# Altium PCB STM32F4 Control Board.PcbDoc (continued)
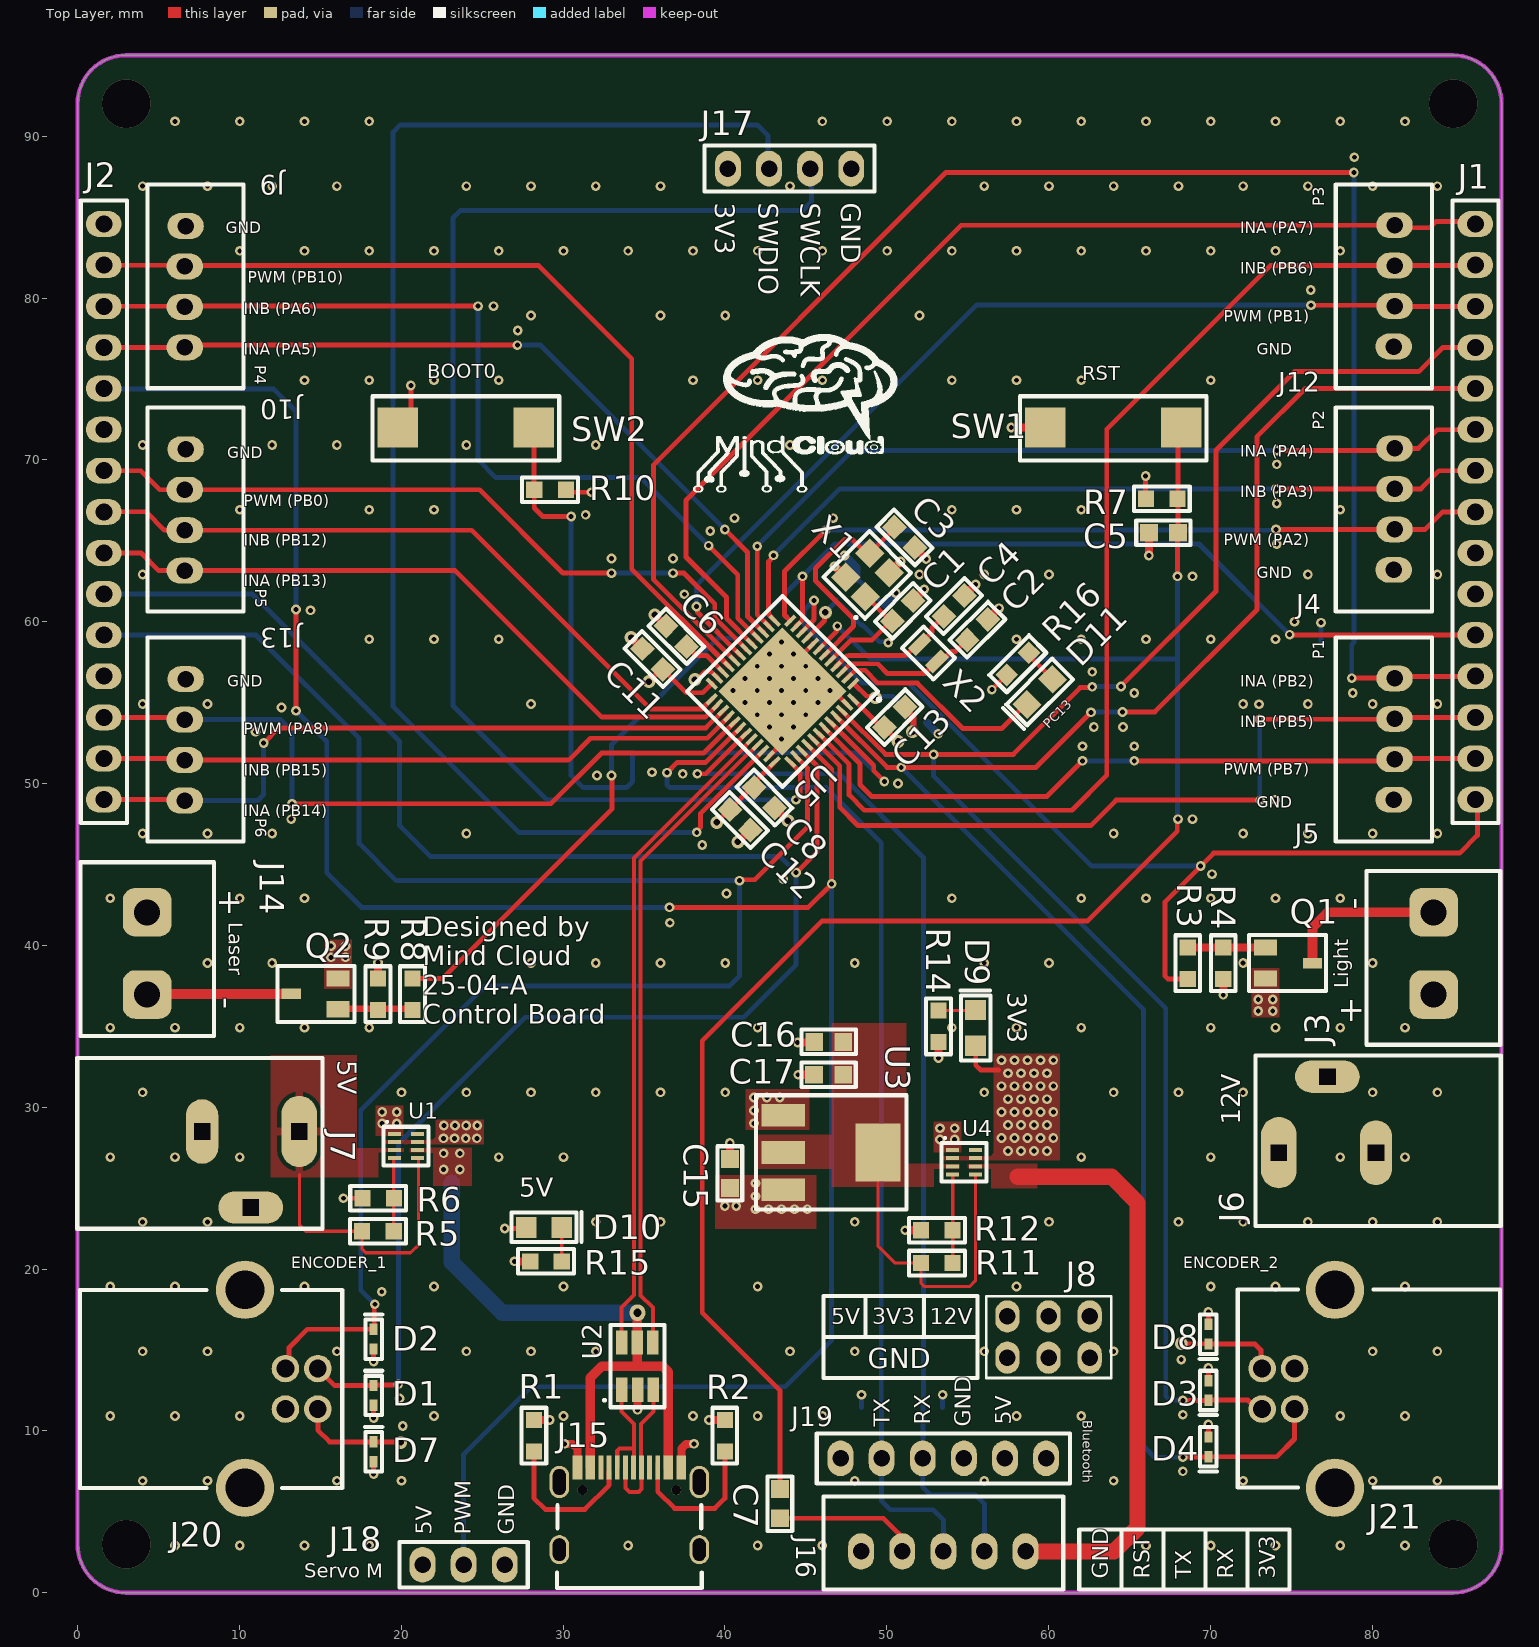
[diagram p0: Top Layer view]
## Nets (pads, with @x,y where several pads share a name; then routed paths per layer and width w, separated by ;. In a path a pad name is that pad's centre, name@x,y a point inside that pad or via, vN(x,y) a via of type N, cw(c..) or ccw(c..) an arc to the next point about the centre after c; other vN are vias at no path point) (continued)
GPIO1: J1.10 J4.4 U5.14 | length 52.7
  Top Layer w0.3: v1(42.004,64.662) 42,64.659 42,60.438 U5.14 ; v1(74.1,70.575) 81.247,70.575 J4.4 82.857,70.707 84.015,71.865 J1.10@86.45,71.865
  Bottom Layer w0.3: v1(42.004,64.662) 42.004,64.704 47.875,70.575 v1(74.1,70.575)
GPIO2: J1.9 J4.3 U5.13 | length 49.9
  Top Layer w0.3: v1(43,64.1) 43,64.019 42.7,63.719 42.7,60.445 U5.13 ; v1(74.061,68.207) J4.3 83.007,68.207 84.125,69.325 J1.9@86.45,69.325
  Bottom Layer w0.3: v1(43,64.1) 47.107,68.207 v1(74.061,68.207)
GPIO3: J2.4 J9.4 U5.15 | length 50.4
  Top Layer w0.3: J2.4 J9.4 ; J9.4@6.63,77.089 v1(27.178,77.089) ; v1(40,65.7) 41.4,64.3 41.4,60.331 U5.15
  Bottom Layer w0.3: v1(27.178,77.089) 28.611,77.089 v1(40,65.7)
GPIO4: J2.3 J9.3 U5.16 | length 56
  Top Layer w0.3: J2.3 6.589,79.49 J9.3 ; J9.3@6.656,79.475 6.681,79.5 v1(24.75,79.5) ; v1(39,64.7) 40.8,62.9 40.8,60.224 U5.16
  Bottom Layer w0.3: v1(24.75,79.5) 24.75,70 25.85,68.9 34.8,68.9 v1(39,64.7)
GPIO5: J1.15 J12.4 U5.17 | length 66.7
  Top Layer w0.3: U5.17 40.1,60.217 40.1,61.5 37.6,64 37.6,67.5 54.6,84.5 J12.4 81.534,84.345 82.545,84.345 83.559,84.345 83.951,84.737 J1.15@86.5,84.737
GPIO6: J1.14 J12.3 U5.42 | length 70.3
  Top Layer w0.3: U5.42 45.807,53.06 46.071,52.796 47.675,51.192 47.675,49.3 48.625,48.35 61.45,48.35 63.6,50.5 63.6,71.9 73.7,82 J12.3 82.7,82 86.303,82 J1.14@86.5,82.197
GPIO7: J1.4 J5.4 R13.2 U5.20 | length 104
  Top Layer w0.3: U5.20 35.598,62.598 35.598,69.698 53.657,87.757 v1(78.867,87.757) ; v1(78.74,56.515) 81.364,56.515 J5.4 81.504,56.625 J1.4@86.45,56.625
  Bottom Layer w0.3: v1(78.74,56.515) 78.74,58.588 78.867,58.715 v1(78.867,87.757)
GPIO8: J1.3 J5.3 U5.41 | length 50.4
  Top Layer w0.3: U5.41 47.1,51.096 47.1,48.525 48.225,47.4 62.6,47.4 64.175,48.975 v1(73.075,48.975) ; v1(73.025,53.975) 81.354,53.975 J5.3 81.464,54.085 J1.3@86.45,54.085
  Bottom Layer w0.3: v1@73.05,49 v1@73.05,53.95
GPIO9: J2.9 J10.4 U5.26 | length 42.4
  Top Layer w0.3: J2.9 3.925,64.25 5.019,63.156 J10.4 23.344,63.156 32.398,54.102 38.788,54.102 U5.26
GPIO10: J2.8 J10.3 U5.25 | length 42.9
  Top Layer w0.3: J2.8 4.235,66.79 5.369,65.656 J10.3 6.636,65.65 24.35,65.65 35.39,54.61 38.589,54.61 U5.25
GPIO11: J2.15 J13.4 U5.27 | length 42.5
  Top Layer w0.3: J2.15 6.569,49.01 J13.4 ; v1(11.5,52.5) 12.436,53.436 38.829,53.436 U5.27
  Bottom Layer w0.3: J13.4 11.124,48.949 11.5,49.325 v1(11.5,52.5)
GPIO12: J2.14 J13.3 U5.28 | length 39.8
  Top Layer w0.3: J2.14 6.529,51.55 J13.3 30.349,51.449 31.7,52.8 38.9,52.8 U5.28
HSE_IN: C1.1 U5.5 X1.1 | length 7.1
  Top Layer w0.3: U5.5 47.803,58.875 49.1,58.875 C1.1@50.259,60.034 ; X1.1 48.756,61.536 C1.1@50.259,60.034 ; C1.1 C1.1@50.259,60.034
HSE_OUT: C3.1 U5.6 X1.3 | length 13.8
  Top Layer w0.3: U5.6 47.95,59.729 47.95,60.175 45.6,62.525 45.6,63.3 47.375,65.075 47.885,65.075 48.737,64.223 X1.3 50.474,65.747 C3.1
LSE_IN: C2.1 U5.3 X2.1 | length 9.1
  Top Layer w0.3: U5.3 47.743,57.4 49.438,57.4 50.038,56.8 52.361,56.8 X2.1 53.388,57.545 54.006,58.162 54.27,58.162 C2.1
LSE_OUT: C4.1 U5.4 X2.2 | length 8.2
  Top Layer w0.3: U5.4 47.536,57.9 47.677,57.9 47.681,57.904 51.18,57.904 51.882,58.605 X2.2 52.8,59.361 52.8,59.625 53.509,60.334 C4.1 C4.1@53.53,60.268
NetC6_1: C6.1 U5.22 | length 2.9
  Top Layer w0.3: C6.1 37.699,58.464 38.25,57.912 38.869,57.912 U5.22
NetC7_1: C7.1 J16.4 | length 8.9
  Top Layer w0.3: C7.1 49.8,4.6 50.75,3.65 50.75,2.76 J16.4
NetD9_2: D9.2 R14.2 | length 2.3
  Top Layer w0.2: R14.2 55.475,35.975 D9.2
NetD10_2: D10.2 R15.1 | length 2.1
  Top Layer w0.2: R15.1 D10.2
NetD11_1: D11.1 R16.2 | length 2.2
  Top Layer w0.3: R16.2@58.655,58.045 D11.1@60.2,56.5
NetJ3_2: J3.2 Q1.D | length 10
  Top Layer w0.6: Q1.D@76.312,38.986 76.312,41.112 77.24,42.04 J3.2
NetJ14_2: J14.2 Q2.D | length 8.9
  Top Layer w0.6: J14.2@4.34,37 Q2.D
NetQ1_G: Q1.G R3.2 R4.2 | length 4.7
  Top Layer w0.5: R3.2@68.607,39.868 Q1.G@73.312,39.868
NetQ2_G: Q2.G R8.2 R9.2 | length 4.1
  Top Layer w0.4: Q2.G@16.146,36.096 18.299,36.096 R8.2@20.204,36.096
PA_N: U2.6 U5.32 | length 40.6
  Top Layer w0.25: U2.6 33.622,17.622 34.384,18.384 34.384,45.396 41.26,52.273 41.26,52.332 U5.32
PA_P: U2.4 U5.33 | length 40.3
  Top Layer w0.25: U2.4 35.552,17.622 34.8,18.375 34.8,45.224 41.555,51.978 41.614,51.978 U5.33
PC13: D11.2 U5.2 | length 13.4
  Top Layer w0.3: U5.2 48.05,57 48.664,57 49.46,56.204 51.896,56.204 54.7,53.4 57.1,53.4 58.588,54.888 D11.2
PR1: R5.1 R6.2 U1.4 | length 4.5
  Top Layer w0.2: R5.1 19.536,26.825 19.561,26.85 U1.4
PR11: R11.1 R12.2 U4.4 | length 5.5
  Top Layer w0.2: U4.4 54.075,25.83 R12.2 R11.1
PWM1: J1.8 J4.2 U5.12 | length 47.5
  Top Layer w0.3: U5.12 43.688,60.412 43.688,63.119 v1(46.228,65.659) ; v1(74.061,65.707) J4.2 83.282,65.707 84.36,66.785 J1.8@86.45,66.785
  Bottom Layer w0.3: v1(46.228,65.659) 73.114,65.659 73.123,65.65 74.004,65.65 v1(74.061,65.707)
PWM2: J2.2 J9.2 U5.21 | length 56.6
  Top Layer w0.3: J2.2 6.549,82.03 J9.2 ; J9.2@6.681,82 19.55,82 28.5,82 34.25,76.25 34.25,63.239 U5.21
  Top Layer w0.4: J9.2 J9.2@6.681,82
PWM3: J1.13 J12.2 U5.19 | length 60.9
  Top Layer w0.3: v1(38.246,60.946) 38.303,60.888 38.303,60.6 U5.19 ; v1(76.225,79.55) 81.329,79.55 J12.2 81.394,79.485 J1.13@86.45,79.485
  Bottom Layer w0.3: v1(38.246,60.946) 38.246,62.246 55.575,79.575 v1@76.325,79.575
PWM4: J1.2 J5.2 U5.43 | length 43.8
  Top Layer w0.3: U5.43 46.161,53.414 48.35,51.225 48.35,49.925 49.075,49.2 59.9,49.2 v1(62.1,51.4) ; v1(65.3,51.4) 81.279,51.4 J5.2 81.424,51.545 J1.2@86.45,51.545
  Bottom Layer w0.3: v1(62.1,51.4) v1(65.3,51.4)
PWM5: J2.7 J10.2 U5.18 | length 44.8
  Top Layer w0.3: J2.7 3.92,69.33 5.094,68.156 J10.2 24.844,68.156 30,63 v1(33,63) ; v1(36.8,63) 37.475,63 39.375,61.1 39.375,60.235 U5.18
  Bottom Layer w0.3: v1(33,63) v1(36.8,63)
PWM6: J2.13 J13.2 U5.29 | length 45.9
  Top Layer w0.3: J2.13 6.489,54.09 J13.2 ; v1(13.25,48.75) 29.25,48.75 32.385,51.885 38.692,51.885 U5.29
  Bottom Layer w0.3: J13.2 12.551,53.949 13.25,53.25 v1(13.25,48.75)
RESET: C5.2 C7.2 R7.2 SW1.1 U5.7 | length 112.7
  Top Layer w0.3: C7.2 43.4,12.5 38.6,17.3 38.6,34.1 46,41.5 62.4,41.5 67.95,47.05 67.95,47.75 v1(68,47.8) ; U5.7 46.895,59.381 46.895,59.67 v1(46.953,59.727) ; v1(67.975,62.8) 67.975,65.475 C5.2 68,71.217 SW1.1@68.197,71.414
  Bottom Layer w0.3: v1(46.953,59.727) 48.98,57.7 67.975,57.7 ; v1(67.975,62.8) 67.975,57.7 ; v1(68,47.8) 67.975,47.825 67.975,57.7
RX: D5.2 J16.2 J19.4 U5.31 | length 66.3
  Top Layer w0.3: v1(38.3,50.604) 38.825,50.604 U5.31
  Bottom Layer w0.3: v1(38.3,50.604) 47.096,50.604 52.275,45.425 52.275,11.51 52.248,11.482 52.248,8.318 J19.4 52.23,6.52 52.7,6.05 55.475,6.05 56.04,5.485 J16.2
Servo: J2.5 J18.2 U5.40 | length 144.3
  Top Layer w0.3: v1(13.5,54.5) v1(13.5,60.75) ; v1(36.575,42.35) 45.15,42.35 v1@46.595,43.795 ; U5.40 46.6,50.889 v1(46.6,43.8)
  Bottom Layer w0.3: J2.5 1.66,74.375 12.125,74.375 13.5,73 v1(13.5,60.75) ; v1(13.5,54.5) 15.4,52.6 15.4,44.5 17.55,42.35 v1(36.575,42.35) ; J18.2 23.86,8.56 28.025,12.725 43.725,12.725 46.6,15.6 v1(46.6,43.8)
SWCLK: J17.3 U5.37 | length 81.4
  Top Layer w0.3: U5.37 44.658,50.709 44.658,49.326 44.396,49.064 v1(44.396,49) ; J17.3@45.346,88.279 J17.3@45.4,88.226
  Bottom Layer w0.3: v1(44.396,49) 29,49 23.2,54.8 23.2,84.95 23.65,85.4 44.8,85.4 45.353,85.953 45.353,88.273 J17.3@45.346,88.279
SWDIO: J17.2 U5.34 | length 89.9
  Top Layer w0.3: v1(38.264,46.985) 38.264,47.066 38.5,47.303 38.5,48.157 U5.34 ; J17.2@42.672,88.414 J17.2@42.806,88.279
  Bottom Layer w0.3: v1(38.264,46.985) 27.265,46.985 19.5,54.75 19.5,90.25 19.95,90.7 42,90.7 42.672,90.028 42.672,88.414 J17.2@42.806,88.279
TX: D6.2 J16.3 J19.5 U5.30 | length 68.1
  Top Layer w0.3: v1(36.428,50.672) 37.063,51.308 38.822,51.308 U5.30
  Bottom Layer w0.3: v1(36.428,50.672) 36.428,49.926 36.603,49.75 46.25,49.75 49.66,46.34 D6.2@49.66,11.5 ; D6.2@49.675,11.485 49.675,8.315 J19.5 49.69,5.66 50.225,5.125 52.875,5.125 53.5,4.5 J16.3
VCC: C8.2 C9.1 C10.1 C11.1 C12.1 C13.1 C14.1 D9.1 J1.6 J2.1 J8.5 J17.1 R7.1 R16.1 SW2.2 U4.2 U4.7 U5.1 U5.9 U5.24 U5.36 U5.48 | length 33.5
  Top Layer w0.3: SW2.2@20.046,71.414 20.6,71.968 v1(20.6,74.6) ; v2(35.3,56.3) 36.056,57.056 C11.1 37.62,55.606 38.63,55.606 U5.24 ; v2(39.5,47.6) 40.297,48.397 C12.1@40.299,48.397 ; C12.1 41.68,49.767 C8.2 41.802,50.045 U5.36 ; U5.9 46.158,60.058 46.158,60.522 v2(46.215,60.579) ; U5.48@47.933,55.217 48.513,54.638 48.518,54.638 49.495,53.66 49.56,53.66 C13.1@49.664,53.764 ; U5.1@47.974,56.182 48.76,55.396 49.204,55.396 v2(49.3,55.3) ; C13.1 49.864,53.44 v2(50.7,52.604) ; D9.1 55.5,32.6 55.8,32.3 56.9,32.3 ; v1(56.5,55.8) R16.1 ; v1(66,69) 66,67.625 R7.1
  Bottom Layer w0.3: v2(46.215,60.579) 46.864,61.228 C14.1 ; C14.1@47.2,61 48.4,59.8 C10.1 49.543,58.757 50.043,58.757 v1(50.1,58.7) ; v2(49.3,55.3) 49.396,55.396 50.36,55.396 50.719,55.036 C9.1
  other v1: 57.5,27.3 58.3,27.3 59.1,27.3 59.9,27.3 57.1,28.1 57.9,28.1 58.7,28.1 59.5,28.1 60.3,28.1 57.5,28.9 58.3,28.9 59.1,28.9 59.9,28.9 57.1,29.7 57.9,29.7 58.7,29.7 59.5,29.7 60.3,29.7 57.5,30.5 58.3,30.5 59.1,30.5 59.9,30.5 57.1,31.3 57.9,31.3 58.7,31.3 59.5,31.3 60.3,31.3 57.5,32.1 58.3,32.1 59.1,32.1 59.9,32.1 57.1,32.9 57.9,32.9 58.7,32.9 59.5,32.9 60.3,32.9
"VCC JAC": J7.1 R5.2 U1.3 U1.5 | length 17.5
  Top Layer w0.2: 13.725,25.85 13.725,22.7 14.086,22.339 R5.2 17.586,21.214 17.8,21 20.575,21 21.075,21.5 21.075,26.825 21.05,26.85 U1.5
"VCC USBC": J15.VBUS U1.6 U2.5 | length 37.6
  Top Layer w0.6: J15.VBUS@31.69,7.8 31.69,13.29 32.4,14 34.6,14 36.159,14 36.51,13.649 J15.VBUS@36.51,7.739 ; 34.587,14.013 U2.5 ; U2.5@34.594,15.467 v4@34.594,17.294
  Bottom Layer w1: 23.125,25.347 23.125,20.425 26.25,17.3 v4(34.6,17.3)
  other v1: 22.625,26.15 23.625,26.15 22.625,27.15 23.625,27.15
pads on no net: J15. J15.A8 J15.B8 J19.1 J19.6 U1.8 U4.8
copper on no net:
  other v3: 3,3 85,3 3,92 85,92

## Polygon pours and split planes (outlines as drawn)
GND on Bottom Layer "GND_L04_P036" (solid, remove dead copper, pour order 36): 0,0 88,0 88,95 0,95
"VCC USBC" on Bottom Layer "VCC_USBC_L04_P023" (solid, remove dead copper, pour order 23): 20.525,27.5 20.525,27.2 21.975,27.2 21.975,25.15 24.375,25.15 24.375,27.5
VCC on Top Layer "VCC_L01_P027" (solid, remove dead copper, pour order 27): 53.35,26.725 53.35,26.975 56.425,26.975 56.625,27.175 56.625,33.3 60.7,33.3 60.7,26.725
3.3_1 on Top Layer "3.3_1_L01_P026" (solid, remove dead copper, pour order 26): 51.2,26.5 54.5,26.5 54.5,26.2 52.9,26.2 52.9,25.1 46.6,25.1 46.6,26.2 41.9,26.2 41.9,28.3 46.6,28.3 46.6,35.2 51.2,35.2
3.3_2 on Top Layer "3.3_2_L01_P025" (solid, remove dead copper, pour order 25): 55,26.5 55,26.2 56.45,26.2 56.45,25 59.3,25 59.3,26.5
+5 on Top Layer "+5_L01_P021" (solid, remove dead copper, pour order 21): 18.875,27.725 18.875,27.975 21.95,27.975 22.15,28.175 22.15,29.225 25.1,29.225 25.1,27.725
"VCC USBC" on Top Layer "VCC_USBC_L01_P020" (solid, remove dead copper, pour order 20): 20.525,27.5 20.525,27.2 21.975,27.2 21.975,25.15 24.375,25.15 24.375,27.5
"VCC JAC" on Top Layer "NONET_L-01_P-001" (solid, pour order 6): 18.588,25.675 18.588,27.225 20.15,27.225 20.15,27.475 17.25,27.475 17.25,33.225 11.938,33.225 11.938,25.675
GND on Top Layer "GND_L01_P035" (solid, remove dead copper, pour order 35): 16.957,37.31 16.957,40.36 15.257,40.36 15.257,37.31
GND on Top Layer "GND_L01_P033" (solid, remove dead copper, pour order 33): 72.555,38.6 72.555,35.55 74.255,35.55 74.255,38.6
GND on Top Layer "GND_L01_P032" (solid, remove dead copper, pour order 32): 20.125,28.225 20.125,30.1 18.425,30.1 18.425,28.225
GND on Top Layer "GND_L01_P031" (solid, remove dead copper, pour order 31): 54.6,27.225 54.6,29.1 52.9,29.1 52.9,27.225
GND on Top Layer "GND_L01_P028" (solid, remove dead copper, pour order 28): 45.2,31.1 45.2,28.6 41.3,28.6 41.3,31.1
+5 on Top Layer "NONET_L-01_P-001" (solid, pour order 8): 45.644,25.781 45.644,22.5 39.4,22.5 39.4,25.781
VCC on Int2 (PWR) "VCC_L03_P042" (solid, remove dead copper, pour order 42): 0,0 88,0 88,95 0,95
+5 on Int2 (PWR) "NONET_L-01_P-001" (solid, pour order 41): 8.4,45.1 8.4,33 24.7,33 24.7,26.2 55.7,26.2 55.7,18.3 69.05,18.3 69.05,0.127 58.801,0.127 58.674,0 19.2,0 19.2,22.3 0,22.3 0,45.1
+12 on Int2 (PWR) "NONET_L-01_P-001" (solid, pour order 40): 72.8,33.2 79.6,33.2 79.6,39.1 88,39.1 88,21.6 72.8,21.6
GND on Int1 (GND) "GND_L02_P029" (solid, remove dead copper, pour order 29): 0,0 88,0 88,95 0,95

## Keep-outs
Keep-Out Layer:
  the board outline again, w0.254

## Silkscreen, mask and mechanical layers (free items; w line width, h text height)
Top Overlay:
  drawing of 32 lines, arcs and shapes, not listed
  text "3V3" at 39.4,85.899 h1.2 r270
  text "SWDIO" at 42.1,85.899 h1.2 r270
  text "SWCLK" at 44.7,85.899 h1.2 r270
  text "GND" at 47.2,85.899 h1.2 r270
  text "P3" at 77.279,85.663 h1.2 r90
  text "GND" at 9.158,83.746 h1.2
  text "INA (PA7)" at 71.858,83.746 h1.2
  text "INB (PB6)" at 71.858,81.246 h1.2
  text "PWM (PB10)" at 10.529,80.685 h1.2
  text "INB (PA6)" at 10.267,78.746 h1.2
  text "PWM (PB1)" at 70.829,78.285 h1.2
  text "INA (PA5)" at 10.267,76.246 h1.2
  text "GND" at 72.858,76.246 h1.2
  text "P4" at 10.716,75.837 h1.2 r270
  text "BOOT0" at 21.607,74.72 h1.5
  text "RST" at 62.086,74.62 h1.5
  text "P2" at 77.286,71.857 h1.2 r90
  text "INA (PA4)" at 71.858,69.946 h1.2
  text "GND" at 9.258,69.846 h1.2
  text "INB (PA3)" at 71.858,67.446 h1.2
  text "PWM (PB0)" at 10.267,66.885 h1.2
  text "PWM (PA2)" at 70.829,64.485 h1.2
  text "INB (PB12)" at 10.267,64.442 h1.2
  text "GND" at 72.858,62.453 h1.2
  text "P5" at 10.723,62.047 h1.2 r270
  text "INA (PB13)" at 10.267,61.942 h1.2
  text "P1" at 77.286,57.69 h1.2 r90
  text "GND" at 9.258,55.746 h1.2
  text "INA (PB2)" at 71.858,55.746 h1.2
  text "INB (PB5)" at 71.858,53.246 h1.2
  text "PC13" at 60.16,53.207 h1 r45
  text "PWM (PA8)" at 10.267,52.785 h1.2
  text "PWM (PB7)" at 70.829,50.3 h1.2
  text "INB (PB15)" at 10.267,50.234 h1.2
  text "GND" at 72.858,48.246 h1.2
  text "P6" at 10.721,47.845 h1.2 r270
  text "INA (PB14)" at 10.267,47.734 h1.2
  text "+" at 8.75,43.5 h1.5 r270
  text "-" at 79.55,42.2 h1.5 r90
  text "Laser" at 9.029,41.417 h1.5 r270
  text "Light" at 78.838,37.352 h1.5 r90
  text "3V3" at 57.068,37.091 h2 r270
  text "-" at 8.55,36.8 h1.5 r270
  text "Designed by / Mind Cloud / 25-04-A / Control Board" at 21.321,35.158 h1.2
  text "+" at 79.35,35.1 h1.5 r90
  text "5V" at 15.671,32.893 h2 r270
  text "12V" at 72.244,28.909 h2 r90
  text "5V" at 27.307,24.071 h2
  text "ENCODER_1" at 13.217,19.815 h1.2
  text "ENCODER_2" at 68.334,19.815 h1.2
  text "5V" at 46.567,16.6 h1
  text "3V3" at 49.109,16.6 h1
  text "12V" at 52.65,16.6 h1
  text "GND" at 48.834,13.875 h1.25
  text "Bluetooth" at 61.886,10.66 h1 r270
  text "RX" at 52.7,10.367 h1 r90
  text "5V" at 57.7,10.367 h1 r90
  text "TX" at 50.2,10.267 h1 r90
  text "GND" at 55.2,10.267 h1 r90
  text "5V" at 21.9,3.567 h1 r90
  text "PWM" at 24.3,3.567 h1 r90
  text "GND" at 27,3.567 h1 r90
  text "GND" at 63.7,0.867 h1 r90
  text "RST" at 66.267,0.867 h1 r90
  text "TX" at 68.833,0.867 h1 r90
  text "RX" at 71.4,0.867 h1 r90
  text "3V3" at 74,0.867 h1 r90
  text "Servo M" at 14.014,0.62 h1.5
Bottom Overlay:
  text "3V3" at 4.68,84.177 h1.25
  text "PA7" at 84.732,84.177 h1.25
  text "PB10" at 5.229,81.677 h1.25
  text "PB6" at 84.732,81.677 h1.25
  text "PA6" at 4.697,79.097 h1.25
  text "PB1" at 84.732,79.096 h1.25
  text "PA5" at 4.677,76.561 h1.25
  text "PB9" at 84.732,76.557 h1.25
  text "PB4" at 4.665,74.017 h1.25
  text "PB8" at 84.732,74.017 h1.25
  text "GND" at 5.053,71.477 h1.25
  text "PA4" at 84.732,71.477 h1.25
  text "PB0" at 4.658,68.937 h1.25
  text "PA3" at 84.732,68.937 h1.25
  text "PB12" at 5.208,66.393 h1.25
  text "PA2" at 84.732,66.393 h1.25
  text "PB13" at 5.205,63.857 h1.25
  text "GND" at 84.732,63.857 h1.25
  text "PB3" at 4.634,61.317 h1.25
  text "3V3" at 84.732,61.317 h1.25
  text "PA15" at 5.248,58.78 h1.25
  text "PA1" at 84.732,58.776 h1.25
  text "GND" at 5.053,56.237 h1.25
  text "PB2" at 84.732,56.233 h1.25
  text "PA8" at 4.696,53.697 h1.25
  text "PB5" at 84.732,53.703 h1.25
  text "PB15" at 5.204,51.16 h1.25
  text "PB7" at 84.732,51.159 h1.25
  text "PB14" at 5.236,48.616 h1.25
  text "PA0" at 84.732,48.617 h1.25